# Altium PCB PCB.PcbDoc (part 1 of 2)
Units mm, origin at the board's own origin, x right, y up, seen from the top; angles counter-clockwise.
Board outline 100.25 x 90.25 mm, 2 copper layers (Top Layer, Bottom Layer); 116 components, 89 nets, 397 pads, 858 vias.
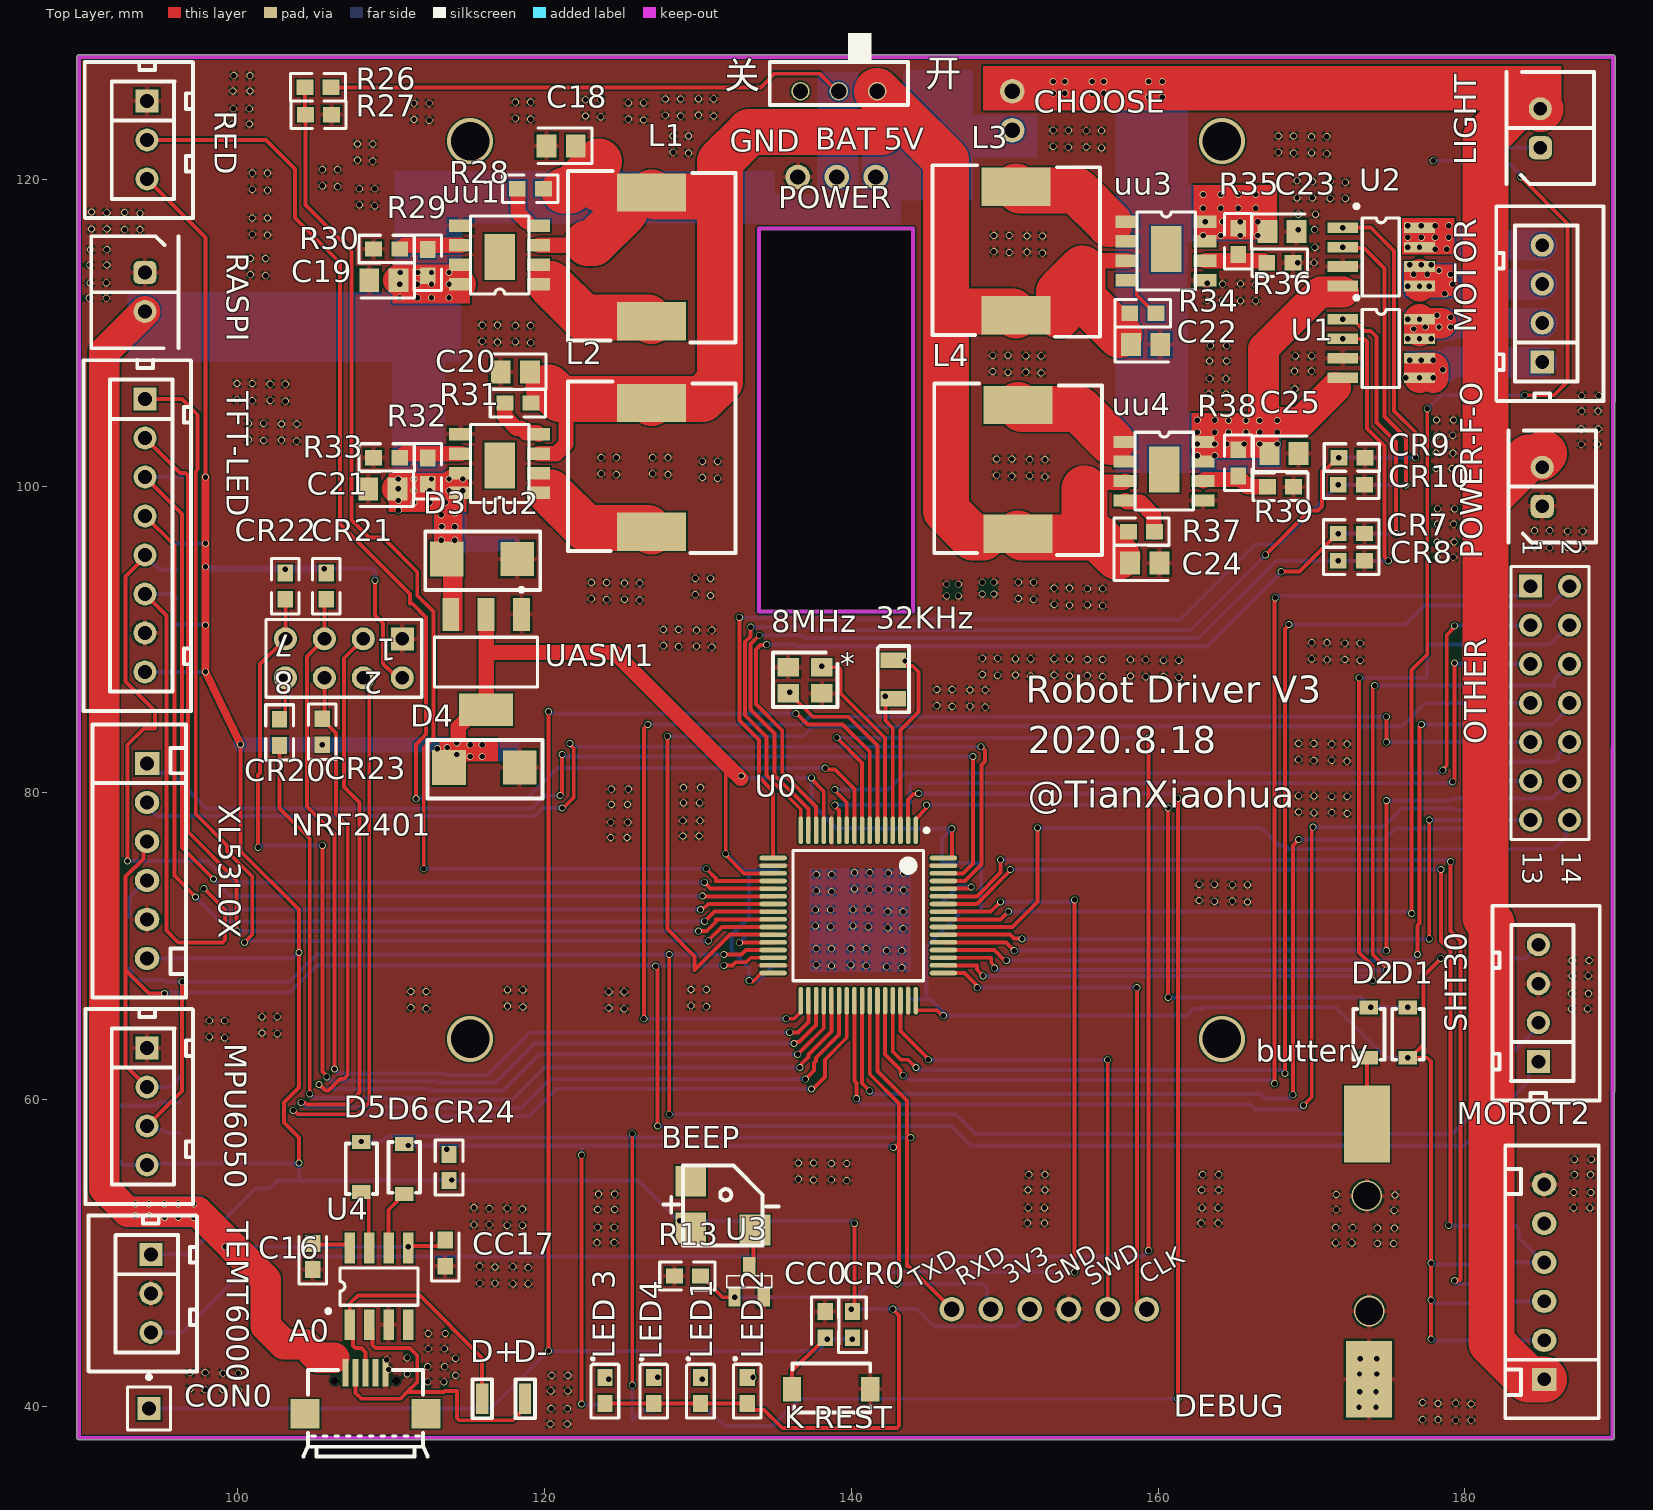
[diagram p0: Top Layer view]
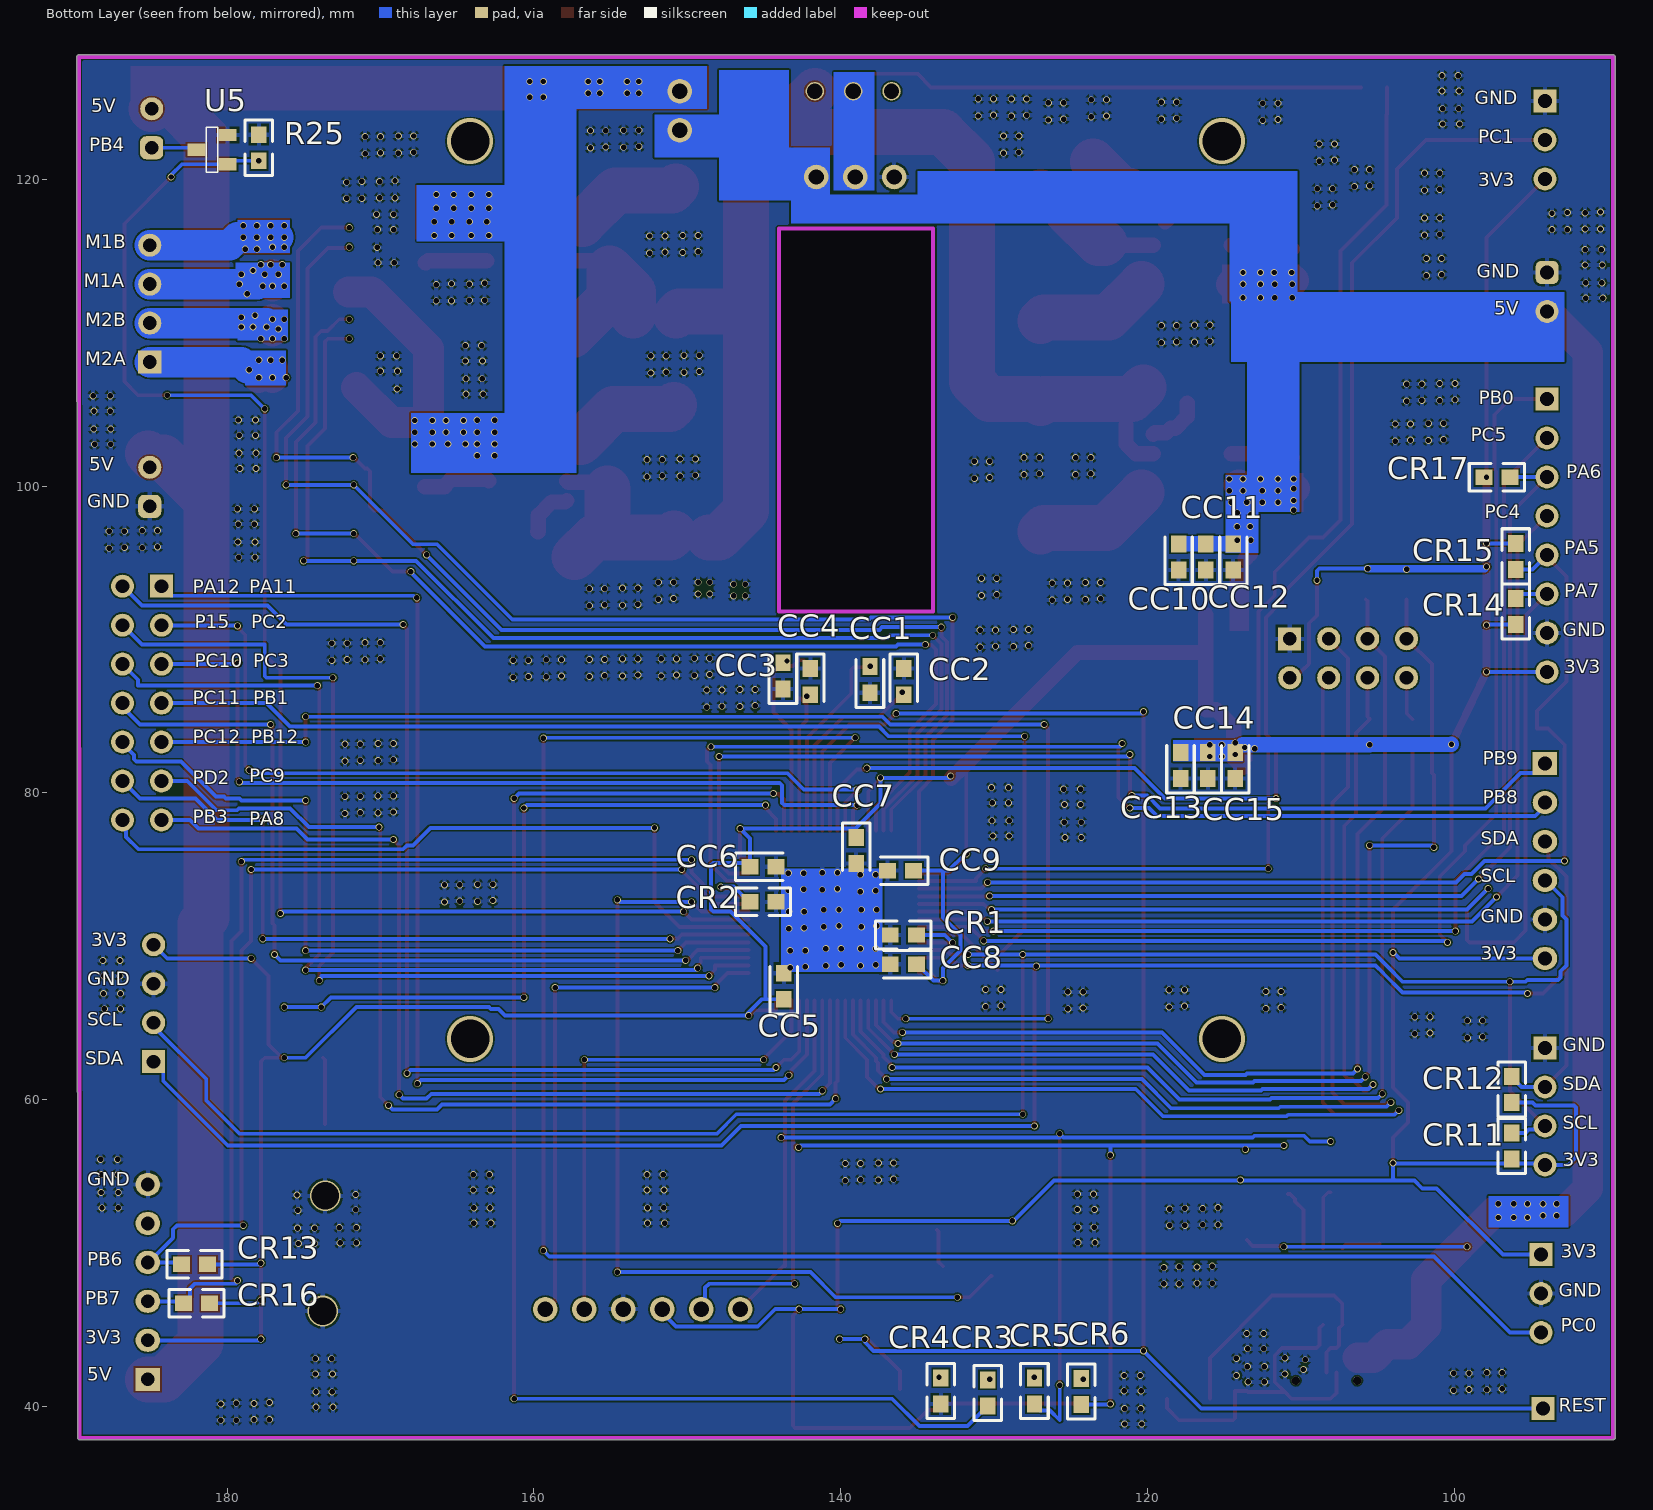
[diagram p1: Bottom Layer view, seen from below]

## Layer stack, top to bottom
Top Solder: solder mask 0.0102, Solder Resist, Dk 3.5
Top Layer: signal copper 0.0356
Dielectric 1: dielectric 0.32, FR-4, Dk 4.8
Bottom Layer: signal copper 0.0356
Bottom Solder: solder mask 0.0102, Solder Resist, Dk 3.5

## Board outline
89.535,37.973 ccw(c89.662,37.973) 89.662,37.846 189.611,37.846 ccw(c189.611,37.973) 189.738,37.973 189.789,127.973 ccw(c189.662,127.973) 189.789,127.973 ccw(c189.662,127.973) 189.636,128.098 189.637,128.098 ccw(c189.611,127.973) 189.611,128.1 89.662,128.1 ccw(c89.662,127.973) 89.535,127.973
cut-out: 133.985,91.821 133.985,116.776 144.018,116.777 144.018,91.821

## Design rules (kind name [scope] priority, off if disabled: settings)
Clearance [All] p1: gap=0.1 ignorepadtopadclearanceinfootprint=FALSE except(0: Arc-Hole Track-Hole SMDPad-Hole THPad-Hole Via-Hole Fill-Hole Poly-Hole Region-Hole Text-Hole)
MinimumSolderMaskSliver [All] p1: minsoldermaskwidth=0
PolygonConnect [All] p1: connectstyle=Relief reliefconductorwidth=0.3 reliefentries=4 polygonreliefangle="90 Angle" airgapwidth=0.15
RoutingVias [All] p1: holewidth=0.711 width=1.27 viastyle="Through Hole" minholewidth=0.3 minwidth=0.4 maxholewidth=0.711 maxwidth=1.27
SilkToSilkClearance [All] p1: silktosilkclearance=0
SilkToSolderMaskClearance [IsPad] p1: minsilkscreentomaskgap=0 clearancetoexposedcopper=TRUE
SolderMaskExpansion [All] p1: expansion=0.102
Width [All] p1: maxlimit=3 minlimit=0.254 preferedwidth=0.254
27 further rules are at their usual default settings.

## Components (designator, comment, footprint, x,y, rotation, side; value= is the part's Value field where it differs from the comment)
8MHz "XTAL 3225 8M" "T 3225" 138.09,86.487 r180 top
32KHz "XTAL 3215 32.768kKHz" "T 3215" 142.748,86.146 r90 top
A0 "Micro USB" "Micro USB" 112.34,39.538 r180 top
BEEP "5020蜂鸣器" 5020蜂鸣器 129.032,50.502 r0 top
buttery "CR1220" CR1220-buttery 184.531,50.8 r180 top
C16 "Cap Chip 0603" CC1608-0603 104.902,49.784 r90 top value=100nf
C18 "Cap Chip 0805" CC2012-0805 121.097,122.174 r180 top value=22uf
C19 "Cap Chip 0805" CC2012-0805 109.54,113.411 r180 top value=22uf
C20 "Cap Chip 0805" CC2012-0805 118.11,107.442 r180 top value=22uf
C21 "Cap Chip 0805" CC2012-0805 109.474,99.822 r180 top value=22uf
C22 "Cap Chip 0805" CC2012-0805 159.192,109.22 r0 top value=22uf
C23 "Cap Chip 0805" CC2012-0805 168.082,116.586 r0 top value=22uf
C24 "Cap Chip 0805" CC2012-0805 159.131,94.996 r0 top value=22uf
C25 "Cap Chip 0805" CC2012-0805 168.209,102.108 r0 top value=22uf
CC0 "Cap Chip 0603" CC1608-0603 138.303,45.339 r270 top value=1UF
CC1 "Cap Chip 0603" CC1608-0603 138.101,87.376 r90 bottom value=22PF
CC2 "Cap Chip 0603" CC1608-0603 135.89,87.249 r270 bottom value=22PF
CC3 "Cap Chip 0603" CC1608-0603 143.773,87.63 r90 bottom value=15PF
CC4 "Cap Chip 0603" CC1608-0603 141.986,87.249 r270 bottom value=15PF
CC5 "Cap Chip 0603" CC1608-0603 143.712,67.398 r90 bottom value=100NF
CC6 "Cap Chip 0603" CC1608-0603 145.073,75.184 r180 bottom value=100NF
CC7 "Cap Chip 0603" CC1608-0603 139.001,76.239 r270 bottom value=100NF
CC8 "Cap Chip 0603" CC1608-0603 135.929,68.834 r0 bottom value=100NF
CC9 "Cap Chip 0603" CC1608-0603 136.105,74.93 r0 bottom value=100NF
CC10 "Cap Chip 0603" CC1608-0603 117.983,95.377 r90 bottom value=2.2UF
CC11 "Cap Chip 0603" CC1608-0603 116.205,95.377 r90 bottom value=10UF
CC12 "Cap Chip 0603" CC1608-0603 114.427,95.377 r90 bottom value=100NF
CC13 "Cap Chip 0603" CC1608-0603 117.856,81.788 r90 bottom value=10UF
CC14 "Cap Chip 0603" CC1608-0603 116.078,81.788 r90 bottom value=2.2UF
CC15 "Cap Chip 0603" CC1608-0603 114.3,81.788 r90 bottom value=100NF
CC17 "Cap Chip 0603" CC1608-0603 113.538,49.999 r90 top value=100nf
CHOOSE "Header 2P_Curved" Header_2_54_2PW 150.495,123.19 r90 top
CON0 "COAX-OUT" PIN1 94.234,39.878 r0 top
CR0 "Resistor Chip 0603" CR1608-0603 140.081,45.339 r270 top value=10K
CR1 "Resistor Chip 0603" CR1608-0603 135.929,70.739 r0 bottom value=10K
CR2 "Resistor Chip 0603" CR1608-0603 145.073,72.898 r0 bottom value=10K
CR3 "Resistor Chip 0603" CR1608-0603 130.429,40.894 r270 bottom value=1K
CR4 "Resistor Chip 0603" CR1608-0603 133.477,41.021 r270 bottom value=1K
CR5 "Resistor Chip 0603" CR1608-0603 127.381,41.021 r270 bottom value=1K
CR6 "Resistor Chip 0603" CR1608-0603 124.333,40.982 r270 bottom value=1K
CR7 "Resistor Chip 0603" CR1608-0603 172.593,96.901 r0 top value=10K
CR8 "Resistor Chip 0603" CR1608-0603 172.593,95.123 r0 top value=10K
CR9 "Resistor Chip 0603" CR1608-0603 172.632,101.854 r180 top value=10K
CR10 "Resistor Chip 0603" CR1608-0603 172.593,100.076 r180 top value=10K
CR11 "Resistor Chip 0603" CR1608-0603 96.266,56.984 r90 bottom value=4.7K
CR12 "Resistor Chip 0603" CR1608-0603 96.266,60.667 r90 bottom value=4.7K
CR13 "Resistor Chip 0603" CR1608-0603 182.118,49.276 r0 bottom value=4.7K
CR14 "Resistor Chip 0603" CR1608-0603 96.012,91.821 r270 bottom value=47K
CR15 "Resistor Chip 0603" CR1608-0603 96.012,95.416 r90 bottom value=47K
CR16 "Resistor Chip 0603" CR1608-0603 181.991,46.736 r0 bottom value=4.7K
CR17 "Resistor Chip 0603" CR1608-0603 97.243,100.565 r0 bottom value=47K
CR20 "Resistor Chip 0603" CR1608-0603 102.743,83.947 r270 top value=4.7K
CR21 "Resistor Chip 0603" CR1608-0603 105.791,93.472 r90 top value=47K
CR22 "Resistor Chip 0603" CR1608-0603 103.124,93.472 r90 top value=47K
CR23 "Resistor Chip 0603" CR1608-0603 105.537,83.986 r270 top value=47K
CR24 "Resistor Chip 0603" CR1608-0603 113.792,55.587 r90 top value=10K
D1 "1N4148W" SOD-123 176.276,62.738 r90 top
D2 "1N4148W" SOD-123 173.736,62.738 r90 top
D3 "SMBJ3.3A" DO214AA(SMB) 113.637,95.25 r0 top
D4 "SMBJ3.3A" DO214AA(SMB) 113.792,81.661 r0 top
D5 "1N4148W" SOD-123 108.077,53.975 r90 top
D6 "1N4148W" SOD-123 110.871,57.118 r270 top
D+ "H0" "header 1" 115.951,40.513 r0 top
D- "H0" "header 1" 118.745,40.513 r0 top
DEBUG "Header_6P_Curved" Header_2_54_6PW 146.558,46.355 r0 top
"K REST" "KEY 3*4" "KEY 3*4" 141.244,41.148 r180 top
L1 "2.2UH" Inductor-1040 127,119.126 r0 top
L2 "2.2UH" Inductor-1040 127,105.41 r0 top
L3 "2.2UH" Inductor-1040 150.749,111.125 r180 top
L4 "2.2UH" Inductor-1040 150.876,96.901 r180 top
LED1 "LED Chip" CLED1608-0603 130.175,41.06 r90 top
LED4 "LED Chip" CLED1608-0603 127.127,41.06 r90 top
"LED 2" "LED Chip" CLED1608-0603 133.223,41.06 r90 top
"LED 3" "LED Chip" CLED1608-0603 123.952,41.06 r90 top
LIGHT "Header 2" HX2.54-2 184.912,122.047 r90 top
MOROT2 "Header 6" HX2.54-6 185.166,41.783 r90 top
MOTOR "Header 4" HX2.54-4 185.039,108.077 r90 top
MPU6050 "Header 4" HX2.54-4 94.107,63.373 r270 top
NRF2401 "Header 4X2" HDR2X4 110.744,90.043 r180 top
OTHER "Header 7X2" HDR2X7 184.277,93.472 r270 top
POWER "Header_3P_Curved" Header_2_54_3PW 136.525,120.142 r0 top
POWER-F-O "Header 2" HX2.54-2 185.039,98.679 r90 top
R13 "Resistor Chip 0603" CR1608-0603 129.325,48.514 r0 top value=33K
R25 "Resistor Chip 0603" CR1608-0603 177.927,122.047 r270 bottom value=33K
R26 "Resistor Chip 0603" CR1608-0603 105.244,125.984 r0 top value=10K
R27 "Resistor Chip 0603" CR1608-0603 105.283,124.206 r0 top value=10K
R28 "Resistor Chip 0603" CR1608-0603 119.087,119.38 r180 top value=100K
R29 "Resistor Chip 0603" CR1608-0603 112.395,114.554 r90 top value=310K
R30 "Resistor Chip 0603" CR1608-0603 109.728,115.443 r180 top value=100K
R31 "Resistor Chip 0603" CR1608-0603 118.276,105.41 r180 top value=100K
R32 "Resistor Chip 0603" CR1608-0603 112.395,100.965 r90 top value=310K
R33 "Resistor Chip 0603" CR1608-0603 109.728,101.854 r180 top value=100K
R34 "Resistor Chip 0603" CR1608-0603 159.004,111.252 r0 top value=100K
R35 "Resistor Chip 0603" CR1608-0603 165.227,115.951 r270 top value=310K
R36 "Resistor Chip 0603" CR1608-0603 167.933,114.554 r0 top value=100K
R37 "Resistor Chip 0603" CR1608-0603 158.916,97.028 r0 top value=100K
R38 "Resistor Chip 0603" CR1608-0603 165.227,101.512 r270 top value=310K
R39 "Resistor Chip 0603" CR1608-0603 167.982,99.949 r0 top value=100K
RASPI "Header 2" HX2.54-2 93.97,113.919 r270 top
RED "Header 3" HX2.54-3 94.107,125.095 r270 top
SHT30 "Header 4" HX2.54-4 184.785,62.484 r90 top
SW0 "MKS-12D19" "SW  MKS 12D19" 141.692,125.73 r180 top
TEMT6000 "Header 3" HX2.54-3 94.361,49.911 r270 top
TFT-LED "Header 8" HX2.54-8 93.98,105.664 r270 top
U0 "STM32F103RCT6" STM-LQFP64_N 140.462,72.009 r270 top
U1 "RZ7899" SOP8 172.038,110.871 r0 top
U2 "RZ7899" SOP8 172.038,116.84 r0 top
U3 "SI2302" "SOT-23 SI2302" 132.4,47.129 r0 top
U4 "CH340(CH330)" SOP8 107.315,45.339 r90 top
U5 "SI2302" "SOT-23 SI2302" 179.971,120.97 r90 bottom
UASM1 "AMS1117-3.3" SOT-223 116.205,88.519 r180 top
uu1 "PS7526" ESOP8 119.634,113.157 r180 top
uu2 "PS7526" ESOP8 119.634,99.568 r180 top
uu3 "PS7526" ESOP8 157.988,117.221 r0 top
uu4 "PS7526" ESOP8 157.861,102.87 r0 top
XL53L0X "Header 6" HX2.54-6 94.107,81.915 r270 top

## Footprints (in the part's own frame and the unit in brackets; to place one, negate y for a bottom-side part, rotate by r counter-clockwise, add the part's x,y. Pads: shape width x height; smd on the part's side, far side on the other; paste and mask are expansions set on the pad)
5020蜂鸣器 [mm] "蜂鸣器 贴片封装"
  rect 2x2 smd: 1(0.508,1.143) 2(4.699,1.016) ""(0.508,4.191)
  silkscreen extent -1.27,0 6.22,5.21, body extent 0,0 5.21,5.08, height 2.01
CC1608-0603 [mm]
  rect 1.1x1 smd: 1(-0.85,0) 2(0.85,0)
  silkscreen extent -1.8,-0.9 1.3,0.9, body extent -0.8,-0.4 0.8,0.4, height 0.3
CC2012-0805 [mm]
  rect 1.3x1.5 smd: 1(-0.95,0) 2(0.95,0)
  silkscreen extent -2,-1.15 1.5,1.15, body extent -1,-0.62 1,0.63, height 0.5
CLED1608-0603 [mm]
  rect 1.1x1 smd: 1(-0.85,0) 2(0.85,0)
  silkscreen extent -1.8,-0.9 2.11,0.9, body extent -0.8,-0.4 0.8,0.4, height 0.6
CR1220-buttery [mm]
  rect 3x5 smd: 1(10.922,-7.62) 2(10.787,9.017)
  body extent 3.41,-8.77 18.16,10.04, height 4.03
CR1608-0603 [mm]
  rect 1.1x1 smd: 1(-0.85,0) 2(0.85,0)
  silkscreen extent -1.8,-0.9 1.8,0.9, body extent -0.8,-0.4 0.8,0.4, height 0.45
DO214AA(SMB) [mm] "稳压管"
  rect 2.2x2.3 smd: 1(0,0)
  rect 2.2x2.2 smd: 2(4.6,0)
  silkscreen extent -1.4,-2.03 6.1,1.78, body extent -0.41,-1.93 4.99,1.67, height 2.3
ESOP8 [mm]
  rect 1.5x0.8 smd: 1(0,0) 2(0,-1.27) 3(0,-2.54) 4(0,-3.81) 5(5.081,-3.81) 6(5.081,-2.54) 7(5.081,-1.27) 8(5.081,0)
  rect 2x3 smd: 9(2.54,-1.778)
  silkscreen extent 0.63,-4.44 4.45,0.64, body extent -0.56,-4.41 5.64,0.6, height 1.75
HDR2X4 [mm] "Connector; Header; 4x2 Position"
  rect 1.5x1.5 hole 0.9: 1(0,0)
  round 1.5 hole 0.9: 2(0,2.54) 3(2.54,0) 4(2.54,2.54) 5(5.08,0) 6(5.08,2.54) 7(7.62,0) 8(7.62,2.54)
  silkscreen extent -1.27,-1.27 8.89,3.81, body extent -1.27,-1.27 8.89,3.81, height 8.54
HDR2X7 [mm] "Connector; Header; 7x2 Position"
  rect 1.5x1.5 hole 0.9: 1(0,0)
  round 1.5 hole 0.9: 2(0,2.54) 3(2.54,0) 4(2.54,2.54) 5(5.08,0) 6(5.08,2.54) 7(7.62,0) 8(7.62,2.54) 9(10.16,0) 10(10.16,2.54) 11(12.7,0) 12(12.7,2.54) 13(15.24,0) 14(15.24,2.54)
  silkscreen extent -1.27,-1.27 16.51,3.81, body extent -1.27,-1.27 16.51,3.81, height 8.54
"header 1" [mm]
  rect 0.8x2 smd: 1(0,0)
  silkscreen extent -0.64,-1.27 0.64,1.27
Header_2_54_2PW [mm] "弯的排针"
  round 1.6 hole 1: 1(0,0) 2(2.54,0)
  body extent -1.27,-10.07 3.81,0.25, height 2.75
Header_2_54_3PW [mm] "3P弯针"
  round 1.6 hole 1: 1(0,0) 2(2.54,0) 3(5.08,0)
  body extent -1.27,-10.07 6.48,0.28, height 2.75
Header_2_54_6PW [mm] "6P弯针"
  round 1.6 hole 1: 1(0,0) 2(2.54,0) 3(5.08,0) 4(7.62,0) 5(10.16,0) 6(12.7,0)
  body extent -1.27,-10.07 13.97,0.25, height 2.75
HX2.54-2 [mm] "两针白色插座（已加焊）"
  rrect50% 1.5x1.5 hole 0.9: 1(0,0)
  round 1.5 hole 0.9: 2(2.54,0)
  silkscreen extent -2.36,-3.5 4.94,2.2, body extent -2.48,-3.55 5.02,2.45, height 7
HX2.54-3 [mm]
  rect 1.5x1.5 hole 0.9: 1(0,0)
  round 1.5 hole 0.9: 2(2.54,0) 3(5.08,0)
  silkscreen extent -2.54,-4.06 7.63,3, body extent -2.41,-3.58 7.59,2.42, height 7
HX2.54-4 [mm]
  rect 1.5x1.5 hole 0.9: 1(0,0)
  round 1.5 hole 0.9: 2(2.54,0) 3(5.08,0) 4(7.62,0)
  silkscreen extent -2.54,-4 10.16,3, body extent -2.4,-3.56 10.12,2.44, height 7
HX2.54-6 [mm]
  rect 1.5x1.6 hole 0.9: 1(0,0)
  oval 1.5x1.6 hole 0.9: 2(2.54,0) 3(5.08,0) 4(7.62,0) 5(10.16,0) 6(12.7,0)
  silkscreen extent -2.54,-3.56 15.24,2.54, body extent -2.54,-3.63 15.24,2.36, height 6.1
HX2.54-8 [mm]
  rect 1.5x1.5 hole 0.9: 1(0,0)
  round 1.5 hole 0.9: 2(2.54,0) 3(5.08,0) 4(7.62,0) 5(10.16,-0.01) 6(12.7,-0.01) 7(15.24,-0.01) 8(17.78,-0.01)
  silkscreen extent -2.54,-4 20.32,3, body extent -2.54,-3.63 20.32,2.36, height 6.1
Inductor-1040 [mm]
  rect 4.5x2.5 smd: 1(0,0) 2(0,-8.382)
  silkscreen extent -5.46,-9.78 5.46,1.4, body extent -5,-9.39 5,1.01, height 3.9
"KEY 3*4" [mm]
  rect 1.2x1.6 smd: 1(0,0) 2(5.1,0)
  silkscreen extent 0,-1.65 5.08,1.52, body extent 0.51,-1.71 4.57,1.46, height 2.5
"Micro USB" [mm]
  round 0.55 hole 0.55 unplated: 0(1.994,-2.15) 0(5.994,-2.15)
  rect 0.4x1.8 smd: 1(5.294,-2.675) 2(4.644,-2.675) 3(3.994,-2.675) 4(3.344,-2.675) 5(2.694,-2.675)
  rect 1.9x1.9 smd: 6(7.944,0) 7(0.044,0)
  silkscreen extent -0.06,-2.85 8.04,2.78, body extent 0,-2.85 7.98,2.58, height 2.72
PIN1 [mm] "Connector; Coax-F"
  rect 1.5x1.5 hole 0.9: 1(0,0)
  silkscreen extent -1.4,-1.4 1.4,2.17, body extent -1.27,-1.27 1.27,1.27, height 8.54
SOD-123 [mm]
  rect 0.91x1.22 smd: 1(0,0) 2(3.27,0)
  silkscreen extent -0.13,-1.02 3.17,1.02, body extent -0.33,-0.8 3.37,0.8, height 1.27
SOP8 [mm]
  rect 2x0.7 smd: 1(0,0) 2(0,-1.27) 3(0,-2.54) 4(0,-3.81) 5(5,-3.81) 6(5,-2.54) 7(5,-1.27) 8(5,0)
  silkscreen extent 0.76,-4.44 3.68,1.52, body extent -0.56,-4.41 5.64,0.59, height 1.75
"SOT-23 SI2302" [mm]
  rect 0.8x1.2 smd: 1(0,0) 2(1.905,0) 3(0.95,2.02)
  silkscreen extent -0.51,0.64 2.41,1.4, body extent -0.61,-0.23 2.39,2.27, height 1.05
SOT-223 [mm]
  rect 1.1x2.15 smd: 1(-2.3,-3.1) 2(0,-3.1) 3(2.3,-3.1)
  rect 3.5x2.15 smd: 2(0,3.1)
  silkscreen extent -3.35,-4.85 3.35,1.63, body extent -3.25,-3.48 3.25,3.48, height 1.7
STM-LQFP64_N [mm] "Thin QFP, 64-Leads, Body 10x10mm, Pitch 0.5mm, IPC Medium Density"
  oval 1.8x0.3 smd: 1(-5.55,3.75) 2(-5.55,3.25) 3(-5.55,2.75) 4(-5.55,2.25) 5(-5.55,1.75) 6(-5.55,1.25) 7(-5.55,0.75) 8(-5.55,0.25) 9(-5.55,-0.25) 10(-5.55,-0.75) 11(-5.55,-1.25) 12(-5.55,-1.75) 13(-5.55,-2.25) 14(-5.55,-2.75) 15(-5.55,-3.25) 16(-5.55,-3.75) 33(5.55,-3.75) 34(5.55,-3.25) 35(5.55,-2.75) 36(5.55,-2.25) 37(5.55,-1.75) 38(5.55,-1.25) 39(5.55,-0.75) 40(5.55,-0.25) 41(5.55,0.25) 42(5.55,0.75) 43(5.55,1.25) 44(5.55,1.75) 45(5.55,2.25) 46(5.55,2.75) 47(5.55,3.25) 48(5.55,3.75)
  oval 0.3x1.8 smd: 17(-3.75,-5.55) 18(-3.25,-5.55) 19(-2.75,-5.55) 20(-2.25,-5.55) 21(-1.75,-5.55) 22(-1.25,-5.55) 23(-0.75,-5.55) 24(-0.25,-5.55) 25(0.25,-5.55) 26(0.75,-5.55) 27(1.25,-5.55) 28(1.75,-5.55) 29(2.25,-5.55) 30(2.75,-5.55) 31(3.25,-5.55) 32(3.75,-5.55) 49(3.75,5.55) 50(3.25,5.55) 51(2.75,5.55) 52(2.25,5.55) 53(1.75,5.55) 54(1.25,5.55) 55(0.75,5.55) 56(0.25,5.55) 57(-0.25,5.55) 58(-0.75,5.55) 59(-1.25,5.55) 60(-1.75,5.55) 61(-2.25,5.55) 62(-2.75,5.55) 63(-3.25,5.55) 64(-3.75,5.55)
  silkscreen extent -5.67,-4.25 4.25,4.58, body extent -6.07,-6.07 6.07,6.07, height 1.62
"SW  MKS 12D19" [mm]
  round 1.2 hole 1: 1(0,0) 2(2.5,0) 3(5,0)
  silkscreen extent -2,-3.81 7,0.89, body extent -2.03,-3.81 6.98,0.89, height 1.5
"T 3215" [mm]
  rect 1x1.65 smd: 1(0,0) 2(2.5,0)
  silkscreen extent -0.89,-1.02 3.43,1.02, body extent -0.33,-0.75 2.87,0.75, height 0.8
"T 3225" [mm]
  rect 1.4x1.2 smd: 1(0,-1.7) 2(2.2,0) 3(0,0) 3(2.2,-1.7)
  silkscreen extent -1.02,-2.67 3.18,0.89, body extent -0.51,-2.16 2.67,0.51, height 0.5

## Part data
BEEP: "蜂鸣器，贴片封装，长宽5.2mm"
buttery: "纽扣电池"
C16 C18 C19 C20 C21 C22 C23 C24 C25 CC0 CC1 CC2 CC3 CC4 CC5 CC6 CC7 CC8 CC9 CC10 CC11 CC12 CC13 CC14 CC15 CC17: "Polarized Capacitor (Radial)", Published=8-Jun-2000, Publisher="Altium Limited", Revision="July-2002: Re-released for DXP Platform."
CHOOSE: "弯的2P排针"
CON0: "Coax-M Connector", Publisher="Altium Limited", Revision="17-Jul-2002: Re-released for DXP Platform."
CR0 CR1 CR2 CR3 CR4 CR5 CR6 CR7 CR8 CR9 CR10 CR11 CR12 CR13 CR14 CR15 CR16 CR17 CR20 CR21 CR22 CR23 CR24 R13 R25 R26 R27 R28 R29 R30 R31 R32 R33 R34 R35 R36 R37 R38 R39: "Resistor", Published=8-Jun-2000, Publisher="Altium Limited", Revision="July-2002: Re-released for DXP Platform."
D1 D2 D5 D6: "开关二极管 贴片 1N4148W 1206/SOD-123 丝印T4 150MA 75V"
D3 D4: "3.3V稳压管，缓解瞬间电压冲击"
D+ D-: library part "header 1"
DEBUG: "弯的6P排针"
L1 L2 L3 L4: library part Inductor, "圆柱线圈的贴片电感"
LED1 LED4 "LED 2" "LED 3": "Typical Chip LED", Published=8-Jun-2000, Publisher="Altium Limited", Revision="July-2002: Re-released for DXP Platform."
LIGHT POWER-F-O RASPI: "Header, 2-Pin", LatestRevisionDate=17-Jul-2002, LatestRevisionNote="Re-released for DXP Platform.", Publisher="Altium Limited"
MOROT2 XL53L0X: "Header, 6-Pin", LatestRevisionDate=17-Jul-2002, LatestRevisionNote="Re-released for DXP Platform.", Publisher="Altium Limited"
MOTOR MPU6050 SHT30: "Header, 4-Pin", LatestRevisionDate=17-Jul-2002, LatestRevisionNote="Re-released for DXP Platform.", Publisher="Altium Limited"
NRF2401: "Header, 4-Pin, Dual row", LatestRevisionDate=17-Jul-2002, LatestRevisionNote="Re-released for DXP Platform.", Publisher="Altium Limited"
OTHER: "Header, 7-Pin, Dual row", LatestRevisionDate=17-Jul-2002, LatestRevisionNote="Re-released for DXP Platform.", Publisher="Altium Limited"
POWER: "弯的3P排针"
RED TEMT6000: "Header, 3-Pin", LatestRevisionDate=17-Jul-2002, LatestRevisionNote="Re-released for DXP Platform.", Publisher="Altium Limited"
SW0: library part sw-MSK-12D19
TFT-LED: "Header, 8-Pin", LatestRevisionDate=17-Jul-2002, LatestRevisionNote="Re-released for DXP Platform.", Publisher="Altium Limited"
U0: "ARM Cortex-M3 32-bit MCU, 256 KB Flash, 48 KB Internal RAM, 51 I/Os, 64-pin LQFP, -40 to 85 degC, Tray", I/Os (High Current)=51, Operating Frequency(F) (Processor speed) (MHz)=72, Supplier Part Number 1=497-9033-ND, Supply Voltage(Vcc) min (V)=2, A/D Converter="3x12-bit (16 Channel)", ComponentLink1Description="Manufacturer URL", ComponentLink1URL=http://www.st.com/web/en/home.html, ComponentLink2Description=Datasheet, ComponentLink2URL=http://www.st.com/st-web-ui/static/active/en/resource/technical/document/datasheet/CD00191185.pdf, ComponentLink3Description="Package Specification", ComponentLink3URL=http://www.st.com/st-web-ui/static/active/en/resource/technical/document/datasheet/DM00037051.pdf, Core="ARM Cortex-M3", D/A Converter="2x12-bit (2 Channel)", DatasheetVersion="Rev. 8", FLASH Size (Prog) (kB)=256, Internal RAM Size (kB)=48, Mounting Technology="Surface Mount", PackageDescription="64-Pin Low Profile Quad Flat Package, 10 x 10 mm Body, 0.5 mm Pitch", PackageReference=LQFP64, PackageVersion="Rev. 4, 06/2013", Packing=Tray, PartNumber=STM32F103RCT6, Supplier 1=Digi-Key, Supplier 2=Newark, Supplier 3=Newark, Supplier 4=Mouser, Supplier Part Number 2=01P4099, Supplier Part Number 3=57P1227, Supplier Part Number 4=511-STM32F103RCT6
U1 U2: "电机驱动:输入支持3V-25V，输出支持6A"
U3 U5: "NMOS场效应MOS管 SOT-23"
U4: "USB转串口rs232的芯片，内置晶振"
UASM1: library part AMS1117, "POSITIVE OUTPUT VOLTAGE"
uu1 uu2 uu3 uu4: "3.7V升压输出5V2A/2.4A，(3V,3.3V.3.7V升压输出5V2A/2.4A，PS7526超高效率的同步整流升压方案。实际应用足2.4A。)PS7526超高效率的同步整流升压方案"

## Via types
v1: diameter 0.45, hole 0.35, Top Layer to Bottom Layer, 852 vias
v2: diameter 3, hole 2.5, Top Layer to Bottom Layer, 4 vias
v3: diameter 2, hole 1.8, Top Layer to Bottom Layer, 2 vias

## Nets (pads, with @x,y where several pads share a name; then routed paths per layer and width w, separated by ;. In a path a pad name is that pad's centre, name@x,y a point inside that pad or via, vN(x,y) a via of type N, cw(c..) or ccw(c..) an arc to the next point about the centre after c; other vN are vias at no path point)
3V3: "LED 2.1" "LED 3.1" BEEP.1 CC5.1 CC6.1 CC7.1 CC8.1 CC9.1 CC13.2 CC14.2 CC15.2 CR0.1 CR11.1 CR12.1 CR13.1 CR14.2 CR15.2 CR16.1 CR17.2 CR21.2 CR22.2 CR23.2 CR24.1 D1.1 D4.1 DEBUG.3 LED1.1 LED4.1 MOROT2.2 MPU6050.4 NRF2401.2 RED.3 SHT30.4 TEMT6000.1 TFT-LED.8 U0.13 U0.19 U0.32 U0.48 U0.64 UASM1.2 XL53L0X.6 | length 416.3
  Top Layer w0.254: RED.3@94.107,120.015 97.917,116.205 v1(97.917,100.584) ; v1(100.203,83.164) 100.203,76.2 104.013,72.39 v1(104.013,69.596) 104.013,60.809 103.026,59.822 103.026,58.518 104.013,57.531 v1(104.013,55.88) ; v1(108.966,93.853) 108.966,91.567 109.474,91.059 109.474,88.414 109.787,88.101 109.809,88.101 110.407,87.503 NRF2401.2@110.744,87.503 ; 123.952,40.21 LED4.1@127.127,40.21 LED1.1@130.175,40.21 133.223,40.21 133.223,40.16 133.596,39.787 134.33,39.787 135.509,38.608 142.98,38.608 143.129,38.757 143.129,45.938 v1(142.712,46.355) ; 132.08,81.661 131.826,81.407 v1(131.826,76.024) 131.826,75.946 133.013,74.759 U0.19@134.912,74.759 ; v1@133.35,67.691 133.594,67.691 134.162,68.259 U0.32@134.912,68.259 ; v1@137.414,80.899 138.212,80.101 U0.13@138.212,77.559 ; CR0.1@140.081,46.189 140.208,46.316 v1(140.208,51.943) ; U0.48@144.212,66.459 144.212,65.857 144.233,65.836 145.581,65.836 v1@146.012,65.405 ; U0.64@146.012,75.759 146.537,75.759 146.558,75.78 v1@146.558,77.597 ; v1(176.276,62.738) D1.1@176.431,62.738 ; v1(177.8,44.401) v1(177.8,46.941) v1(177.8,49.354) 177.8,62.484 177.546,62.738 D1.1@176.431,62.738 ; v1(178.435,69.215) 177.292,68.072 177.292,63.599 D1.1@176.431,62.738
  Top Layer w0.5: v1(97.917,100.584) v1(97.917,96.266) v1(97.917,94.742) v1(97.917,90.932) v1(97.917,87.884) v1(100.203,83.164)
  Top Layer w1: D4.1@113.792,81.661 114.392,82.261 114.392,84.281 115.53,85.419 UASM1.2@116.205,85.419 116.205,89.154 ; UASM1.2@116.205,91.619 116.205,89.154 ; v1@132.806,80.935 132.08,81.661 124.587,89.154 116.205,89.154
  Bottom Layer w0.254: TFT-LED.8@93.97,87.884 v1(97.917,87.884) ; XL53L0X.6@94.107,69.215 103.579,69.215 103.96,69.596 v1(104.013,69.596) ; TEMT6000.1@94.361,49.911 96.856,49.911 101.174,54.229 102.108,54.229 102.616,54.737 103.886,54.737 ; CR14.2@96.012,90.971 97.878,90.971 v1(97.917,90.932) ; CR15.2@96.012,96.266 v1(97.917,96.266) ; CR12.1@96.266,59.817 94.914,59.817 94.73,59.632 92.224,59.632 92.075,59.484 92.075,56.261 92.583,55.753 MPU6050.4@94.107,55.753 94.196,55.842 103.975,55.842 v1(104.013,55.88) 104.013,54.864 103.886,54.737 ; v1(97.917,94.742) v1@98.044,94.615 ; v1(105.664,94.615) 108.817,94.615 108.966,94.466 v1(108.966,93.853) ; CC15.2@113.802,83.136 113.877,83.061 113.927,83.061 114.3,82.688 CC15.2@114.3,82.638 ; v1@128.778,52.07 126.111,54.737 103.886,54.737 ; v1(128.816,52.108) 140.043,52.108 v1(140.208,51.943) ; v1(131.826,76.024) 131.826,75.946 131.953,75.946 132.969,74.93 133.35,74.93 ; v1@132.842,81.026 132.891,80.977 v1(137.414,80.977) 137.414,79.311 139.05,77.675 v1(146.558,77.675) 145.923,77.04 CC6.1@145.923,75.184 146.177,75.438 148.314,75.438 148.463,75.289 148.463,72.412 148.314,72.263 147.193,72.263 144.907,69.977 144.907,66.548 ; CC8.1@135.079,68.834 135.029,68.834 133.964,67.769 v1(133.35,67.769) 133.35,68.58 132.207,69.723 132.207,70.739 133.35,71.882 133.35,74.93 ; CC9.1@135.255,74.93 133.35,74.93 ; v1(140.003,46.355) v1(142.712,46.355) 144.272,46.355 145.415,45.212 150.749,45.212 151.638,46.101 DEBUG.3@151.638,46.355 ; CC5.1@143.712,66.548 144.907,66.548 ; v1(146.012,65.483) 161.876,65.483 162.306,65.913 162.814,65.913 162.941,66.04 171.577,66.04 174.879,62.738 v1(176.276,62.738) ; v1@146.05,65.659 145.161,66.548 144.907,66.548 ; v1@177.8,44.323 MOROT2.2@185.166,44.323 ; v1@177.8,49.276 CR13.1@181.268,49.276 ; v1@177.927,46.863 178.054,46.736 CR16.1@181.141,46.736 ; v1(178.435,69.215) 183.896,69.215 SHT30.4@184.785,70.104
  Bottom Layer w0.5: v1@98.044,94.615 v1(105.664,94.615)
  Bottom Layer w1: v1(100.203,83.164) v1(105.537,83.136) CC15.2@113.802,83.136
  other v1: 113.957,54.775 132.842,81.104 115.162,82.374 115.951,82.374 114.3,82.501 113.03,82.882 113.665,82.96 115.162,83.136 115.951,83.139 114.3,83.263 103.124,94.566
5V_motor: C23.1 C25.1 CHOOSE.2 LIGHT.2 MOROT2.1 POWER-F-O.2 R35.1 R38.1 U1.4 U2.4 uu3.7 uu3.8 uu4.7 uu4.8 | length 110
  Top Layer w2: 171.577,106.426 169.291,104.14 166.878,104.14 166.878,108.966 170.561,112.649 172.085,112.649
  Top Layer w3: LIGHT.2@184.912,124.587 184.531,124.968 184.023,124.968 183.896,124.841 183.515,124.841 181.356,122.682 181.356,99.06 ; MOROT2.1@185.166,41.783 184.115,41.783 181.737,44.161 181.737,71.501 181.356,71.882 181.356,99.06 ; 185.166,102.108 184.912,101.854 184.15,101.854 181.356,99.06
  other v1: 162.56,101.981 163.703,101.981 162.56,102.743 163.703,102.743 164.465,102.743 165.608,102.743 166.624,102.743 167.767,102.743 162.56,103.505 163.703,103.505 164.592,103.505 165.735,103.505 166.624,103.505 167.767,103.505 164.592,104.267 165.735,104.267 166.624,104.267 167.767,104.267 162.56,104.299 163.703,104.299 162.941,116.332 164.084,116.332 165.354,116.332 166.497,116.332 163.069,117.221 164.212,117.221 165.354,117.221 166.497,117.221 162.942,118.11 164.085,118.11 165.227,118.11 166.37,118.11 162.941,118.999 164.084,118.999 165.227,118.999 166.37,118.999 159.385,125.349 160.274,125.349 153.162,125.603 153.924,125.603 155.702,125.603 156.464,125.603 153.162,126.365 153.924,126.365 155.702,126.365 156.464,126.365 159.385,126.365 160.274,126.365
5V_SYS: A0.1 C19.1 C21.1 CC10.2 CC11.2 CC12.2 CC17.2 CHOOSE.1 D3.1 POWER.3 R29.1 R32.1 RASPI.2 U4.5 UASM1.3 uu1.7 uu1.8 uu2.7 uu2.8 | length 112.3
  Top Layer w0.254: U4.5@111.125,50.339 111.262,50.476 113.165,50.476 CC17.2@113.538,50.849
  Top Layer w1: 113.03,98.806 113.316,98.806 113.324,98.798 113.324,95.563 D3.1@113.637,95.25
  Top Layer w2: RASPI.2@93.97,111.379 91.313,108.722 91.313,54.229 92.837,52.705 97.409,52.705 101.854,48.26 101.854,45.241 103.026,44.069 104.396,44.069 105.285,43.18 106.299,43.18 ; C21.1@110.424,99.822 v1(110.49,99.822) 113.792,99.822 114.046,100.076 ; C19.1@110.49,113.411 114.299,113.411 uu1.8@114.553,113.157
  Bottom Layer w0.254: v1(99.187,50.419) v1(111.125,50.419)
  Bottom Layer w1: 114.173,98.806 114.173,98.531 114.427,98.277 CC12.2@114.427,96.227 CC11.2@116.205,96.227 CC10.2@117.983,96.227
  other v1: 95.25,52.324 96.139,52.324 97.155,52.324 93.345,52.451 94.234,52.451 93.345,53.213 94.234,53.213 95.25,53.213 96.139,53.213 97.155,53.213 113.284,96.471 114.173,96.471 113.324,97.36 114.173,97.356 113.284,98.122 114.173,98.249 110.49,98.425 111.506,98.933 112.522,98.933 113.538,98.933 114.554,98.933 110.49,99.06 111.506,99.695 112.522,99.695 113.792,99.695 114.681,99.695 110.49,100.457 111.506,100.457 112.649,100.457 113.792,100.457 114.681,100.457 110.578,112.268 111.721,112.268 112.649,112.268 113.792,112.268 110.578,113.157 111.721,113.157 112.649,113.157 113.792,113.157 110.617,113.919 111.76,113.919 112.649,113.919 113.792,113.919
ADC-Light: TEMT6000.3 U0.8 | length 127.7
  Top Layer w0.254: v1(139.065,83.594) 140.712,81.947 U0.8@140.712,77.559 ; v1(159.385,50.165) v1(159.385,83.566)
  Bottom Layer w0.254: TEMT6000.3@94.361,44.831 96.393,44.831 101.346,49.784 159.004,49.784 v1(159.385,50.165) ; v1(139.065,83.594) 159.23,83.594 159.258,83.566 v1(159.385,83.566)
BAT: C18.1 C20.1 C22.1 C24.1 L1.1 L2.1 L3.1 L4.1 R28.1 R31.1 R34.1 R37.1 SW0.1 uu1.3 uu2.3 uu3.3 uu4.3 | length 120
  Top Layer w1: uu2.3@119.634,102.108 120.781,102.108 121.412,102.739 121.412,104.013 ; uu1.3@119.634,115.697 122.682,115.697 122.809,115.824 ; 155.067,114.173 155.575,114.681 uu3.3@157.988,114.681 ; 155.194,99.822 155.611,100.239 157.77,100.239 uu4.3@157.861,100.33
  Top Layer w3: 120.269,106.426 121.035,105.66 126.75,105.66 L2.1@127,105.41 127.25,105.66 130.298,105.66 131.445,106.807 131.445,118.872 131.441,118.876 ; 121.285,119.253 121.666,119.253 123.571,121.158 ; 122.809,115.824 123.198,115.824 125.226,117.852 ; 123.571,119.376 123.702,119.376 ; L1.1@127,119.126 127.25,118.876 131.441,118.876 ; SW0.1@141.692,125.73 143.3,124.123 ; 148.59,96.647 147.934,96.647 146.177,98.404 146.177,112.141 ; L3.1@150.749,111.125 150.499,111.375 146.943,111.375 146.177,112.141 ; L4.1@150.876,96.901 151.126,96.651 154.682,96.651 ; 153.543,111.125 153.543,112.649 155.067,114.173 155.067,112.268 157.48,109.855 ; 155.194,99.822 155.194,97.163 154.682,96.651 ; 157.353,95.377 156.079,96.651 154.682,96.651 ; 131.441,118.876 131.441,121.154 133.35,123.063 141.986,123.063 143.046,124.123 143.3,124.123 ; 143.3,124.123 146.177,121.245 146.177,112.141
BAT-velogy: R26.1 R27.1 U0.20 | length 78.4
  Top Layer w0.254: R26.1@104.394,125.984 104.394,124.245 R27.1@104.433,124.206 104.433,118.325 107.442,115.316 107.442,97.79 108.585,96.647 109.474,96.647 111.721,94.4 111.721,92.876 112.776,91.821 112.776,83.566 112.141,82.931 v1(112.141,75.057) ; v1(130.556,75.057) 131.191,74.422 131.191,74.259 U0.20@134.912,74.259
  Bottom Layer w0.254: v1(112.141,75.057) v1(130.556,75.057)
BOOT0: CR2.2 U0.60 | length 4.2
  Top Layer w0.254: U0.60@146.012,73.759 v1@147.828,73.759
  Bottom Layer w0.254: CR2.2@145.923,72.898 145.973,72.898 146.989,73.914 147.574,73.914 147.585,73.903 147.737,73.903 147.828,73.812 v1@147.828,73.787
  other v1: 147.828,73.865
BOOT1: CR1.1 U0.28 | length 4.8
  Top Layer w0.254: v1(132.715,70.231) 132.743,70.259 U0.28@134.912,70.259
  Bottom Layer w0.254: v1(132.715,70.231) 133.223,70.739 CR1.1@135.079,70.739
GND: 8MHz.3 "K REST.1" A0.5 buttery.2 C16.1 C18.2 C19.2 C20.2 C21.2 C22.2 C23.2 C24.2 C25.2 CC0.1 CC1.1 CC2.1 CC3.1 CC4.1 CC5.2 CC6.2 CC7.2 CC8.2 CC9.2 CC10.1 CC11.1 CC12.1 CC13.1 CC14.1 CC15.1 CC17.1 CR1.2 CR2.1 CR4.2 CR7.2 CR8.2 CR9.1 CR10.1 D3.2 D4.2 DEBUG.4 MOROT2.6 MPU6050.1 NRF2401.1 POWER-F-O.1 POWER.1 R13.1 R25.1 R27.2 R30.2 R33.2 R36.2 R39.2 RASPI.1 RED.1 SHT30.3 TEMT6000.2 TFT-LED.7 U0.12 U0.18 U0.31 U0.47 U0.63 U1.3 U2.3 U3.2 U4.3 U5.2 UASM1.1 uu1.5 uu2.5 uu3.5 uu4.5 XL53L0X.5
  other v1: 120.389,38.87 121.501,38.87 179.404,39.116 180.4,39.116 177.245,39.154 178.241,39.154 120.446,39.866 121.501,39.866 173.094,39.964 174.206,39.964 180.4,40.171 178.241,40.209 179.404,40.229 177.245,40.266 173.151,40.961 174.206,40.961 120.426,41.029 121.539,41.029 100.056,41.063 97.897,41.1 99.06,41.12 96.901,41.158 112.395,41.613 113.45,41.613 114.217,42.03 120.484,42.025 121.539,42.025 111.062,42.125 173.131,42.123 174.244,42.123 99.06,42.175 100.056,42.175 96.901,42.213 97.897,42.213 109.855,42.418 112.395,42.609 113.508,42.609 109.728,43.053 173.189,43.12 174.244,43.12 114.217,43.142 111.062,43.18 112.433,43.772 113.488,43.772 112.433,44.768 113.545,44.768 117.953,48.006 118.949,48.006 115.794,48.044 116.79,48.044 118.949,49.061 116.79,49.099 117.953,49.119 115.794,49.156 174.296,50.634 175.351,50.634 171.577,50.673 172.632,50.673 123.437,50.693 124.549,50.693 174.296,51.63 175.409,51.63 171.577,51.669 172.69,51.669 123.494,51.689 124.549,51.689 117.576,51.816 118.572,51.816 115.417,51.854 116.413,51.854 151.484,51.963 152.597,51.963 162.807,51.963 163.919,51.963 175.389,52.793 171.615,52.832 123.474,52.852 124.587,52.852 118.572,52.871 116.413,52.909 117.576,52.929 115.417,52.966 151.542,52.959 152.597,52.959 162.864,52.959 163.919,52.959 187.094,52.959 188.149,52.959 175.447,53.789 171.615,53.828 123.532,53.848 124.587,53.848 187.094,53.955 188.207,53.955 151.522,54.122 152.634,54.122 162.844,54.122 163.957,54.122 139.709,54.73 137.55,54.767 138.713,54.787 136.554,54.825 151.579,55.118 152.634,55.118 162.902,55.118 163.957,55.118 187.132,55.118 188.187,55.118 138.713,55.842 139.709,55.842 136.554,55.88 137.55,55.88 187.132,56.114 188.244,56.114 99.167,64.038 98.171,64.096 102.596,64.292 101.6,64.35 98.171,65.151 99.167,65.151 101.6,65.405 102.596,65.405 125.202,65.92 186.944,65.92 187.999,65.92 112.298,65.943 111.302,66.001 124.206,65.978 118.598,66.048 130.559,66.07 117.602,66.105 129.563,66.128 186.944,66.917 188.057,66.917 124.206,67.033 125.202,67.033 111.302,67.056 112.298,67.056 117.602,67.16 118.598,67.16 129.563,67.183 130.559,67.183 186.982,68.079 188.037,68.079 143.306,68.61 142.31,68.668 138.716,68.737 140.973,68.737 137.72,68.795 139.977,68.795 186.982,69.076 188.094,69.076 142.31,69.723 143.306,69.723 137.72,69.85 138.716,69.85 139.977,69.85 140.973,69.85 143.389,71.15 142.392,71.208 138.664,71.273 141.111,71.273 137.668,71.331 140.114,71.331 142.392,72.263 143.389,72.263 137.668,72.386 138.664,72.386 140.114,72.386 141.111,72.386 165.832,72.891 163.673,72.928 164.836,72.948 162.677,72.986 138.728,73.563 137.732,73.621 143.419,73.661 141.208,73.69 142.423,73.719 140.212,73.748 164.836,74.003 165.832,74.003 162.677,74.041 163.673,74.041 137.732,74.676 138.728,74.676 142.423,74.774 143.419,74.774 140.212,74.803 141.208,74.803 124.33,77.089 125.385,77.089 129.032,77.189 130.087,77.189 124.33,78.085 125.442,78.085 129.032,78.185 130.145,78.185 172.319,78.658 170.16,78.695 171.323,78.716 169.164,78.753 124.367,79.248 125.422,79.248 129.07,79.348 130.125,79.348 171.323,79.771 172.319,79.771 169.164,79.808 170.16,79.808 124.367,80.244 125.48,80.244 129.07,80.344 130.182,80.344 172.314,82.067 170.155,82.104 171.318,82.124 169.159,82.162 171.318,83.179 172.314,83.179 169.159,83.217 170.155,83.217 148.736,85.591 146.577,85.628 147.74,85.648 145.581,85.686 147.74,86.703 148.736,86.703 145.581,86.741 146.577,86.741 161.358,87.526 159.199,87.563 156.385,87.585 160.362,87.584 151.705,87.623 154.226,87.623 158.203,87.621 149.546,87.66 155.388,87.643 150.709,87.68 153.229,87.68 148.55,87.718 160.362,88.639 161.358,88.639 173.172,88.639 158.203,88.676 159.199,88.676 171.013,88.676 155.388,88.698 156.385,88.698 172.175,88.696 170.016,88.734 150.709,88.735 151.705,88.735 153.229,88.735 154.226,88.735 148.55,88.773 149.546,88.773 130.917,89.499 128.758,89.536 129.921,89.557 127.762,89.594 172.175,89.751 173.172,89.751 170.016,89.789 171.013,89.789 129.921,90.612 130.917,90.612 127.762,90.649 128.758,90.649 156.385,92.195 154.226,92.232 155.388,92.252 153.229,92.29 126.218,92.559 124.059,92.597 125.222,92.617 151.892,92.613 123.063,92.655 150.896,92.671 146.227,92.837 146.989,92.837 130.834,92.867 129.837,92.925 148.541,92.964 149.303,92.964 155.388,93.307 156.385,93.307 153.229,93.345 154.226,93.345 146.227,93.599 146.989,93.599 125.222,93.672 126.218,93.672 123.063,93.71 124.059,93.71 148.541,93.726 149.303,93.726 150.896,93.726 151.892,93.726 129.837,93.98 130.834,93.98 178.181,95.357 179.236,95.357 187.686,95.942 185.527,95.979 186.69,96 184.531,96.037 178.181,96.354 179.294,96.354 186.69,97.055 187.686,97.055 184.531,97.092 185.527,97.092 178.219,97.516 179.274,97.516 178.219,98.513 179.331,98.513 131.298,100.495 130.302,100.553 152.634,100.608 150.475,100.645 151.638,100.665 149.479,100.703 124.698,100.741 128.06,100.741 123.702,100.799 127.064,100.799 178.113,101.145 179.168,101.145 130.302,101.608 131.298,101.608 151.638,101.72 152.634,101.72 149.479,101.758 150.475,101.758 123.702,101.854 124.698,101.854 127.064,101.854 128.06,101.854 178.113,102.141 179.226,102.141 187.579,102.723 188.634,102.723 103.866,102.93 101.707,102.968 102.87,102.988 100.711,103.025 178.151,103.304 179.206,103.304 187.579,103.72 188.692,103.72 102.87,104.043 103.866,104.043 100.711,104.08 101.707,104.08 178.151,104.3 179.263,104.3 187.617,104.882 188.672,104.882 103.127,105.53 100.968,105.567 102.131,105.587 99.972,105.625 187.617,105.879 188.729,105.879 163.315,105.993 164.427,105.993 168.914,106.322 102.131,106.642 103.127,106.642 99.972,106.68 100.968,106.68 163.372,106.989 164.427,106.989 152.38,107.368 150.221,107.405 151.384,107.426 149.225,107.463 168.893,107.484 170.006,107.484 163.352,108.152 164.465,108.152 151.384,108.481 152.38,108.481 168.951,108.481 170.006,108.481 149.225,108.518 150.221,108.518 163.41,109.148 164.465,109.148 119.106,109.34 116.947,109.377 118.11,109.397 115.951,109.435 118.11,110.452 119.106,110.452 115.951,110.49 116.947,110.49 165.374,112.069 166.37,112.069 163.215,112.107 164.211,112.107 90.338,112.249 91.451,112.249 166.37,113.124 164.211,113.162 165.374,113.182 163.215,113.22 90.396,113.245 91.451,113.245 101.834,113.717 100.838,113.774 90.376,114.408 91.489,114.408 169.11,114.554 170.165,114.554 100.838,114.829 101.834,114.829 152.458,115.182 150.299,115.219 151.462,115.239 149.303,115.277 90.434,115.404 91.489,115.404 170.223,115.55 151.462,116.294 152.458,116.294 149.303,116.332 150.299,116.332 101.961,116.354 100.965,116.412 92.651,116.713 93.648,116.713 169.148,116.713 170.203,116.713 90.492,116.751 91.489,116.751 100.965,117.467 101.961,117.467 169.148,117.709 170.261,117.709 93.648,117.768 91.489,117.806 92.651,117.826 90.492,117.863 108.946,118.263 107.95,118.321 171.216,118.745 172.212,118.745 169.057,118.783 170.053,118.783 101.961,119.277 100.965,119.335 107.95,119.376 108.946,119.376 106.533,119.508 105.537,119.566 172.212,119.8 170.053,119.838 171.216,119.858 169.057,119.895 100.965,120.39 101.961,120.39 105.537,120.621 106.533,120.621 108.819,121.178 107.823,121.236 170.999,121.659 129.393,121.696 168.84,121.696 170.003,121.716 128.397,121.754 167.844,121.754 156.317,122.04 154.158,122.077 155.321,122.097 153.162,122.135 107.823,122.291 108.819,122.291 170.003,122.771 170.999,122.771 128.397,122.809 129.393,122.809 167.844,122.809 168.84,122.809 155.321,123.152 156.317,123.152 153.162,123.19 154.158,123.19 99.667,123.591 100.78,123.591 112.502,123.832 126.472,123.855 111.506,123.89 119.106,123.911 125.476,123.913 118.11,123.969 123.678,124.061 128.883,124.109 122.682,124.119 131.044,124.118 127.887,124.167 130.048,124.176 99.725,124.587 100.78,124.587 111.506,124.945 112.502,124.945 125.476,124.968 126.472,124.968 118.11,125.024 119.106,125.024 122.682,125.174 123.678,125.174 127.887,125.222 128.883,125.222 130.048,125.231 131.044,125.231 99.705,125.75 100.818,125.75 99.763,126.746 100.818,126.746
  other v3: 173.764,46.228 173.609,53.739